# Altium PCB RTM_SFP.PcbDoc (part 13 of 17)
Units mil, origin at the board's own origin, x right, y up, seen from the top; angles counter-clockwise.
Board outline 7185 x 5846.5 mil, 4 copper layers (Top Layer, MidPlane_1, MidPlane_2, Bottom Layer), stack 63.553 mil thick; 389 components, 333 nets, 1578 pads, 1486 vias.
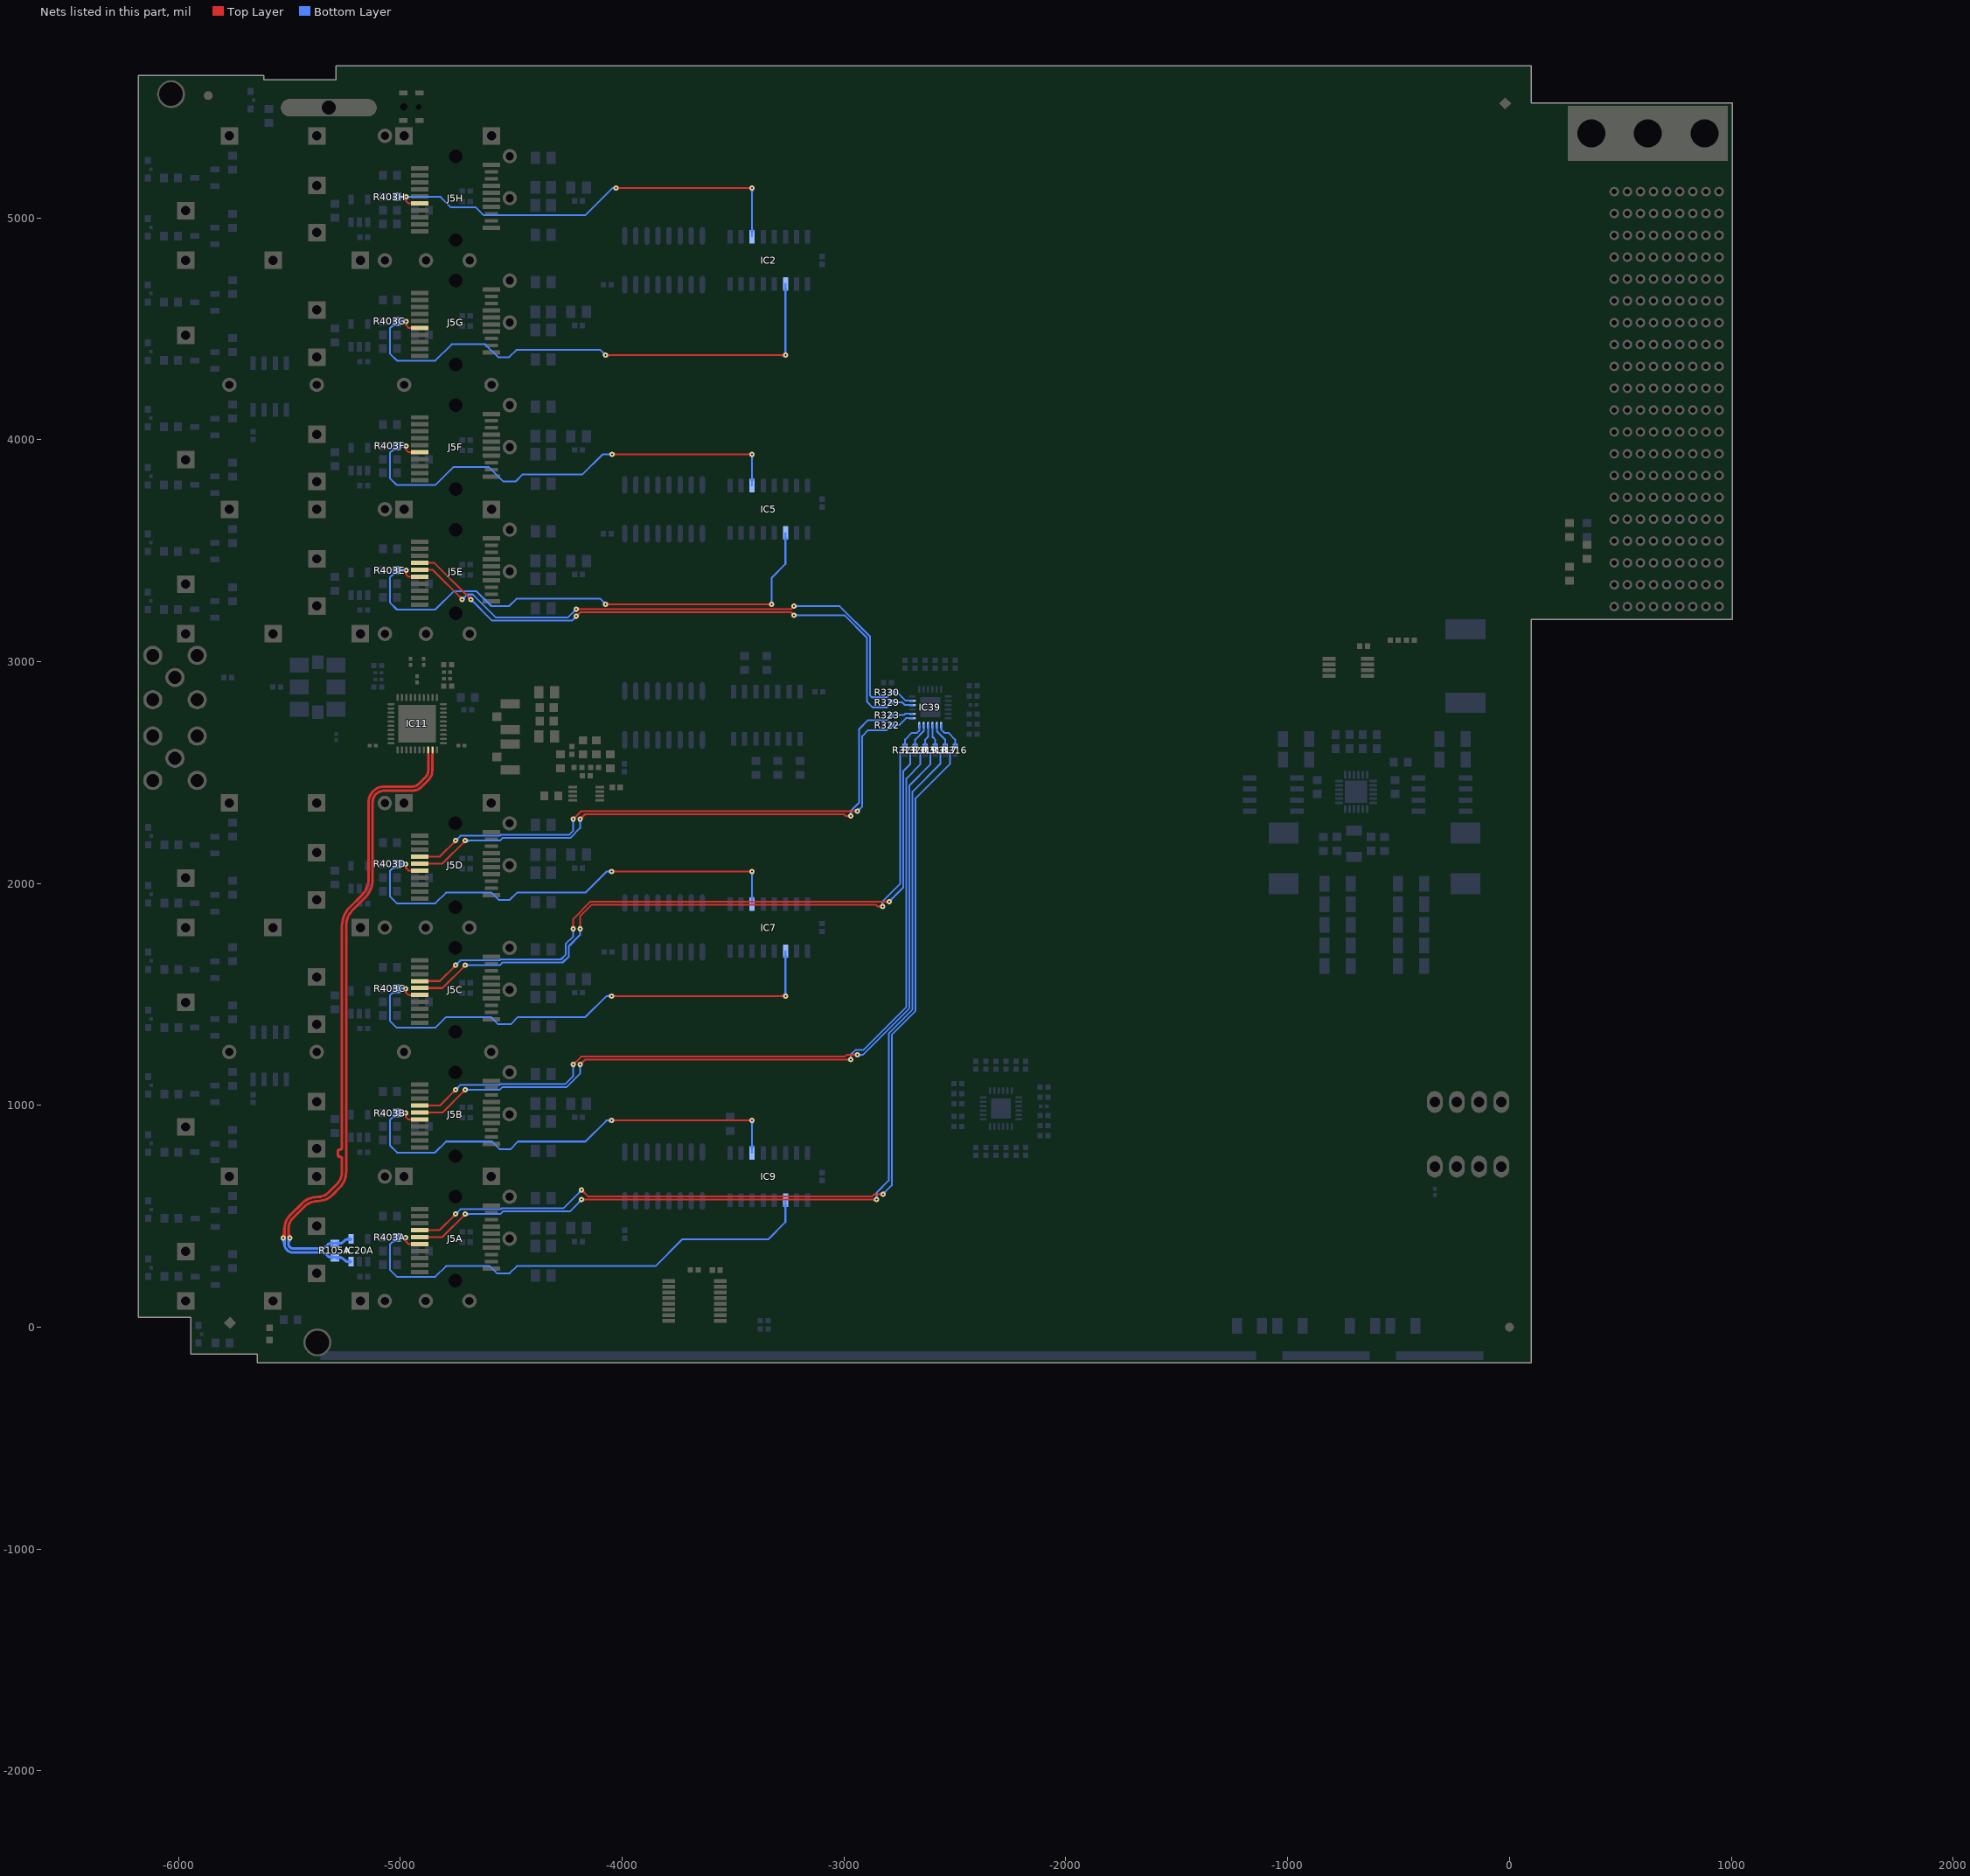
[diagram p15: the nets of this part, all layers, seen from the top]

## Via types
v1: diameter 23.62, hole 7.87, Top Layer to Bottom Layer, tented both sides, 1401 vias
v2: diameter 27.56, hole 11.81, Top Layer to Bottom Layer, tented both sides, 59 vias
v3: diameter 25.98, hole 12.99, Top Layer to Bottom Layer, tented top, 24 vias
v4: diameter 23.62, hole 11.81, Top Layer to Bottom Layer, tented both sides, 2 vias

## Nets (pads, with @x,y where several pads share a name; then routed paths per layer and width w, separated by ;. In a path a pad name is that pad's centre, name@x,y a point inside that pad or via, vN(x,y) a via of type N, cw(c..) or ccw(c..) an arc to the next point about the centre after c; other vN are vias at no path point) (continued)
SFP_CLK8.CLOCK_N: IC11.29 IC20A.4 R105A.2 | length 3255.4
  Top Layer w10: -4856.35,2580.24 -4855.51,2581.08 IC11.29@-4855.51,2601.97
  Top Layer w12: v1(-5499.18,401.57) -5504.99,407.39 -5504.99,440.91 cw(c-5431.08,440.91) -5483.36,493.15 ; -5483.34,493.17 -5432.48,544.04 cw(c-5373.27,484.84) -5373.27,568.56 ccw(c-5373.27,662.73) -5306.7,596.13 ; -5311.45,591.37 -5274.17,628.66 ; -5306.69,596.14 -5274.11,628.72 ccw(c-5344.88,699.37) -5244.88,699.37 -5244.88,1809.37 cw(c-5144.88,1809.37) -5215.59,1880.08 -5159.02,1936.65 ccw(c-5240.67,2018.3) -5125.2,2018.3 -5125.2,2365.72 cw(c-5071.91,2365.72) -5109.62,2403.37 ; -5109.56,2403.43 cw(c-5071.91,2365.72) -5071.91,2419.01 -4944.15,2419.01 ccw(c-4944.15,2474.22) -4905.13,2435.17 -4873.09,2467.2 ccw(c-4913.5,2507.61) -4856.35,2507.61 -4856.35,2580.24 ; -5504.99,429.63 ccw(c-5471.12,429.63) v1@-5495.07,405.68 ; -5504.99,429.63 ccw(c-5471.12,429.63) v1@-5495.07,405.68 ; -5504.99,429.63 ccw(c-5471.12,429.63) v1@-5495.07,405.68 ; v1@-5503.51,405.44 ccw(c-5511.58,412.65) -5502.21,418.06 ; v1@-5503.51,405.44 ccw(c-5511.58,412.65) -5502.21,418.06 ; v1@-5503.51,405.44 ccw(c-5511.58,412.65) -5502.21,418.06
  Bottom Layer w11.9: -5504.99,375.4 cw(c-5475.51,375.4) v1@-5495.28,397.26 ; v1@-5503.33,397.44 cw(c-5509.51,391.3) -5502.19,386.57 ccw(c-5509.51,391.3) v1@-5503.33,397.44
  Bottom Layer w12: v1@-5503.31,397.49 cw(c-5509.56,391.33) -5502.19,386.57 ; v1(-5499.18,401.57) -5504.99,395.76 -5504.99,376.05 ccw(c-5483.92,376.05) -5498.84,361.17 ; -5498.81,361.14 ccw(c-5484.95,375.02) -5484.95,355.41 -5359.18,355.41 ccw(c-5359.18,392.6) -5332.89,366.3 ; -5332.87,366.31 -5325.71,373.47 cw(c-5315,362.76) -5315,377.9 ; R105A.2@-5308.26,373.18 ccw(c-5315,370.74) -5315,377.9 ; R105A.2@-5307.72,382.4 cw(c-5315,386.04) -5315,377.9 ; R105A.2@-5282.96,382.67 ccw(c-5275.03,386.89) -5275.03,377.9 ; R105A.2@-5282.4,372.88 cw(c-5275.03,369.98) -5275.03,377.9 ; -5252.28,389.79 -5256.5,385.58 cw(c-5275.03,404.11) -5275.03,377.9 ; -5252.26,389.81 cw(c-5233.46,370.98) -5233.46,397.59 IC20A.4@-5221.65,397.59 ; -5241.66,395.39 cw(c-5236.24,375.18) IC20A.4@-5224.82,392.72 ; -5315,377.9 -5275.03,377.9 ; -5504.99,375.4 cw(c-5475.51,375.4) -5495.28,397.26 ccw(c-5475.51,375.4) -5504.99,375.4
SFP_CLK8.CLOCK_P: IC11.28 IC20A.3 R105A.1 | length 3249.6
  Top Layer w10: IC11.28@-4875.2,2601.97 -4875.2,2581.08 -4874.35,2580.24
  Top Layer w12: v1(-5528.8,401.57) -5522.99,407.39 -5522.99,441.6 cw(c-5432.73,441.6) -5496.55,505.41 -5444.64,557.32 cw(c-5373.93,486.61) -5373.93,586.61 ccw(c-5373.93,656.75) -5324.34,607.16 -5284.54,646.96 ccw(c-5336.82,699.24) -5262.88,699.24 -5262.88,759.84 ccw(c-5270.95,759.84) -5270.95,767.91 -5273.31,767.91 cw(c-5273.31,776.96) -5282.35,776.37 -5282.35,792.72 cw(c-5273.31,792.13) -5273.31,801.18 -5270.95,801.18 ccw(c-5270.95,809.25) -5262.88,809.25 -5262.88,1809.82 cw(c-5145.97,1809.82) -5228.64,1892.48 -5172.49,1948.64 ccw(c-5243.2,2019.35) -5143.2,2019.35 -5143.2,2366.08 cw(c-5072.77,2366.08) -5122.6,2415.85 ; -5121.95,2416.5 cw(c-5072.44,2367) -5072.44,2437.01 -4944.61,2437.01 ccw(c-4944.61,2475.32) -4917.52,2448.23 -4886.29,2479.46 ccw(c-4915.09,2508.27) -4874.35,2508.27 -4874.35,2580.24 ; v1@-5532.91,405.68 ccw(c-5556.86,429.63) -5522.99,429.63 ; v1@-5532.91,405.68 ccw(c-5556.86,429.63) -5522.99,429.63 ; v1@-5532.91,405.68 ccw(c-5556.86,429.63) -5522.99,429.63 ; -5525.76,418.06 ccw(c-5516.39,412.65) v1@-5524.46,405.44 ; -5525.76,418.06 ccw(c-5516.39,412.65) v1@-5524.46,405.44 ; -5525.76,418.06 ccw(c-5516.39,412.65) v1@-5524.46,405.44
  Bottom Layer w11.9: v1@-5532.7,397.27 cw(c-5552.61,375.33) -5522.99,375.33 ; -5525.78,386.52 cw(c-5518.41,391.27) -5524.64,397.45 ccw(c-5518.41,391.27) -5525.78,386.52
  Bottom Layer w12: v1(-5528.8,401.57) -5522.99,395.76 -5522.99,375.98 ccw(c-5484.08,375.98) -5511.61,348.49 ; -5525.78,386.52 cw(c-5518.36,391.31) v1@-5524.66,397.5 ; -5511.32,348.2 ccw(c-5485.27,374.25) -5485.27,337.41 -5358.96,337.41 cw(c-5358.96,300.77) -5333.06,326.69 -5325.73,319.36 ccw(c-5315,330.09) -5315,314.91 ; R105A.1@-5308.26,310.19 ccw(c-5315,307.75) -5315,314.91 ; R105A.1@-5307.73,319.41 cw(c-5315,323.04) -5315,314.91 ; R105A.1@-5283.51,307.75 cw(c-5273.03,300.88) -5269.79,312.98 ; IC20A.3@-5226.16,291.56 ccw(c-5233.86,285.32) -5233.86,295.23 ; IC20A.3@-5226.16,298.89 cw(c-5233.86,305.14) -5233.86,295.23 ; IC20A.3@-5221.65,295.23 -5233.86,295.23 ; -5315,314.91 -5276.98,314.91 cw(c-5276.98,283.99) -5255.12,305.86 -5252.01,302.74 ccw(c-5233.86,320.89) -5233.86,295.23 ; v1@-5532.7,397.27 cw(c-5552.61,375.33) -5522.99,375.33 ccw(c-5552.61,375.33) v1@-5532.7,397.27
SFP_DETECTN1: IC2.11 J5H.6 R403H.1 | length 2545.5
  Top Layer w7.99: v1(-4974.92,5094.49) -4974.92,5076.71 ; J5H.6@-4946.08,5061.08 ccw(c-4956.06,5051.1) -4956.06,5065.21 ccw(c-4956.06,5079.33) J5H.6@-4946.08,5069.35 ; J5H.6@-4912.42,5065.21 -4963.42,5065.21 -4974.92,5076.71 ; v1(-4027.95,5133.86) v1(-3414.17,5133.86) ; -4974.92,5076.71 cw(c-4958.61,5076.71) -4969.64,5088.73 ccw(c-4958.61,5076.71) -4974.92,5076.71 ; -4974.92,5076.71 ccw(c-4991.23,5076.71) -4980.2,5088.73 cw(c-4991.23,5076.71) -4974.92,5076.71 ; -4009.09,5133.86 cw(c-4009.09,5152.73) -4022.43,5139.38 ccw(c-4009.09,5152.73) -4009.09,5133.86 ; -4009.09,5133.86 ccw(c-4009.09,5114.99) -4022.43,5128.33 cw(c-4009.09,5114.99) -4009.09,5133.86 ; -3433.04,5133.86 cw(c-3433.04,5114.99) -3419.7,5128.33 ccw(c-3433.04,5114.99) -3433.04,5133.86 ; -3433.04,5133.86 ccw(c-3433.04,5152.73) -3419.7,5139.38 cw(c-3433.04,5152.73) -3433.04,5133.86
  Bottom Layer w7.99: R403H.1@-5015.75,5094.49 v1(-4974.92,5094.49) -4818.9,5094.49 -4771.87,5047.46 -4660.45,5047.46 -4624.41,5011.42 -4166.73,5011.42 -4044.29,5133.86 ; R403H.1@-5006.05,5084.78 cw(c-4982.62,5061.36) -4982.62,5094.49 cw(c-4982.63,5127.61) R403H.1@-5006.05,5104.19 ; -4995.85,5090.94 cw(c-4990.71,5071.76) v1@-4979.38,5088.07 ; -4995.85,5098.03 ccw(c-4990.71,5117.21) v1@-4979.38,5100.91 ; -4989.01,5092.78 ccw(c-4992.14,5104.43) v1@-4981.69,5098.4 ; -4989.01,5096.2 cw(c-4992.13,5084.55) v1@-4981.69,5090.58 ; v1(-4027.95,5133.86) -4044.29,5133.86 ; IC2.11@-3419.7,4939.05 ccw(c-3433.04,4952.39) -3414.17,4952.39 ccw(c-3395.31,4952.39) IC2.11@-3408.65,4939.05 ; IC2.11@-3414.17,4914.82 v1(-3414.17,5133.86) ; -4993.79,5094.49 cw(c-4993.79,5075.62) -4980.45,5088.96 ccw(c-4993.79,5075.62) -4993.79,5094.49 ; -4993.79,5094.49 ccw(c-4993.79,5113.36) -4980.45,5100.01 cw(c-4993.79,5113.36) -4993.79,5094.49 ; -4956.05,5094.49 cw(c-4956.05,5113.36) -4969.39,5100.01 ccw(c-4956.05,5113.36) -4956.05,5094.49 ; -4956.05,5094.49 ccw(c-4956.05,5075.62) -4969.39,5088.96 cw(c-4956.05,5075.62) -4956.05,5094.49 ; -4044.29,5133.86 cw(c-4044.29,5120.69) -4034.04,5128.95 ccw(c-4044.29,5120.69) -4044.29,5133.86 ; -4044.29,5133.86 ccw(c-4044.29,5147.03) -4034.04,5138.76 cw(c-4044.29,5147.03) -4044.29,5133.86 ; -3414.17,5114.99 cw(c-3395.31,5114.99) -3408.65,5128.33 ccw(c-3395.31,5114.99) -3414.17,5114.99 ; -3414.17,5114.99 ccw(c-3433.04,5114.99) -3419.7,5128.33 cw(c-3433.04,5114.99) -3414.17,5114.99
SFP_DETECTN2: IC2.3 J5G.6 R403G.1 | length 3040.1
  Top Layer w7.99: v1(-4974.92,4533.46) -4974.92,4515.69 ; J5G.6@-4946.08,4500.06 ccw(c-4956.06,4490.08) -4956.06,4504.19 ccw(c-4956.06,4518.3) J5G.6@-4946.08,4508.32 ; J5G.6@-4912.42,4504.19 -4963.42,4504.19 -4974.92,4515.69 ; v1(-4074.41,4380.71) v1(-3264.17,4380.71) ; -4974.92,4515.69 cw(c-4958.61,4515.69) -4969.64,4527.71 ccw(c-4958.61,4515.69) -4974.92,4515.69 ; -4974.92,4515.69 ccw(c-4991.23,4515.69) -4980.2,4527.71 cw(c-4991.23,4515.69) -4974.92,4515.69 ; -4055.54,4380.71 cw(c-4055.54,4399.58) -4068.88,4386.24 ccw(c-4055.54,4399.58) -4055.54,4380.71 ; -4055.54,4380.71 ccw(c-4055.54,4361.84) -4068.88,4375.18 cw(c-4055.54,4361.84) -4055.54,4380.71 ; -3283.04,4380.71 cw(c-3283.04,4361.84) -3269.7,4375.18 ccw(c-3283.04,4361.84) -3283.04,4380.71 ; -3283.04,4380.71 ccw(c-3283.04,4399.58) -3269.7,4386.24 cw(c-3283.04,4399.58) -3283.04,4380.71
  Bottom Layer w7.99: -5042.53,4506.68 cw(c-5015.75,4479.89) R403G.1@-5015.75,4517.77 ; -5037.78,4511.43 ccw(c-5057.84,4531.49) R403G.1@-5029.47,4531.49 ; R403G.1@-5006.05,4523.76 cw(c-4982.62,4500.34) -4982.62,4533.46 cw(c-4982.63,4566.58) R403G.1@-5006.05,4543.17 ; -4995.85,4529.92 cw(c-4990.71,4510.74) v1@-4979.38,4527.05 ; -4995.85,4537.01 ccw(c-4990.71,4556.18) v1@-4979.38,4539.88 ; -4989.01,4531.75 ccw(c-4992.14,4543.4) v1@-4981.69,4537.37 ; -4989.01,4535.17 cw(c-4992.13,4523.53) v1@-4981.69,4529.56 ; v1(-4974.92,4533.46) R403G.1@-5015.75,4533.46 -5047.24,4501.97 -5047.24,4388.19 -5015.45,4356.4 -4842.17,4356.4 -4768.13,4430.44 -4617.74,4430.44 -4559.45,4372.15 -4509.74,4372.15 -4477.01,4404.88 -4098.58,4404.88 v1(-4074.41,4380.71) ; IC2.3@-3269.7,4677.99 cw(c-3283.04,4664.65) -3264.17,4664.65 cw(c-3245.31,4664.65) IC2.3@-3258.65,4677.99 ; v1(-3264.17,4380.71) IC2.3@-3264.17,4702.22 ; -4993.79,4533.46 cw(c-4993.79,4514.6) -4980.45,4527.94 ccw(c-4993.79,4514.6) -4993.79,4533.46 ; -4993.79,4533.46 ccw(c-4993.79,4552.33) -4980.45,4538.99 cw(c-4993.79,4552.33) -4993.79,4533.46 ; -4087.75,4394.05 cw(c-4101.09,4380.71) -4082.22,4380.71 ccw(c-4101.09,4380.71) -4087.75,4394.05 ; -4087.75,4394.05 ccw(c-4074.41,4407.39) -4074.41,4388.52 cw(c-4074.41,4407.39) -4087.75,4394.05 ; -3264.17,4399.58 cw(c-3283.04,4399.58) -3269.7,4386.24 ccw(c-3283.04,4399.58) -3264.17,4399.58 ; -3264.17,4399.58 ccw(c-3245.31,4399.58) -3258.65,4386.24 cw(c-3245.31,4399.58) -3264.17,4399.58
SFP_DETECTN3: IC5.11 J5F.6 R403F.1 | length 2744.2
  Top Layer w7.99: v1(-4974.92,3972.44) -4974.92,3954.66 ; J5F.6@-4946.08,3939.03 ccw(c-4956.06,3929.05) -4956.06,3943.17 ccw(c-4956.06,3957.28) J5F.6@-4946.08,3947.3 ; J5F.6@-4912.42,3943.17 -4963.42,3943.17 -4974.92,3954.66 ; v1(-4045.27,3934.25) v1(-3414.17,3934.25) ; -4974.92,3954.66 cw(c-4958.61,3954.66) -4969.64,3966.68 ccw(c-4958.61,3954.66) -4974.92,3954.66 ; -4974.92,3954.66 ccw(c-4991.23,3954.66) -4980.2,3966.68 cw(c-4991.23,3954.66) -4974.92,3954.66 ; -4026.4,3934.25 cw(c-4026.4,3953.12) -4039.74,3939.78 ccw(c-4026.4,3953.12) -4026.4,3934.25 ; -4026.4,3934.25 ccw(c-4026.4,3915.38) -4039.74,3928.72 cw(c-4026.4,3915.38) -4026.4,3934.25 ; -3433.04,3934.25 cw(c-3433.04,3915.38) -3419.7,3928.72 ccw(c-3433.04,3915.38) -3433.04,3934.25 ; -3433.04,3934.25 ccw(c-3433.04,3953.12) -3419.7,3939.78 cw(c-3433.04,3953.12) -3433.04,3934.25
  Bottom Layer w7.99: -5042.53,3945.66 cw(c-5015.75,3918.87) R403F.1@-5015.75,3956.75 ; -5037.78,3950.41 ccw(c-5057.84,3970.47) R403F.1@-5029.47,3970.47 ; R403F.1@-5006.05,3962.74 cw(c-4982.62,3939.31) -4982.62,3972.44 cw(c-4982.63,4005.56) R403F.1@-5006.05,3982.14 ; -4995.85,3968.9 cw(c-4990.71,3949.72) v1@-4979.38,3966.02 ; -4995.85,3975.98 ccw(c-4990.71,3995.16) v1@-4979.38,3978.86 ; -4989.01,3970.73 ccw(c-4992.13,3982.38) v1@-4981.69,3976.35 ; -4989.01,3974.15 cw(c-4992.13,3962.5) v1@-4981.69,3968.53 ; v1(-4974.92,3972.44) R403F.1@-5015.75,3972.44 -5047.24,3940.94 -5047.24,3827.17 -5015.45,3795.37 -4842.17,3795.37 -4759.99,3877.56 -4601.74,3877.56 -4535.3,3811.12 -4481.2,3811.12 -4448.46,3843.86 -4179.06,3843.86 -4088.67,3934.25 v1(-4045.27,3934.25) ; IC5.11@-3419.7,3817 ccw(c-3433.04,3830.34) -3414.17,3830.34 ccw(c-3395.31,3830.34) IC5.11@-3408.65,3817 ; IC5.11@-3414.17,3792.77 v1(-3414.17,3934.25) ; -4993.79,3972.44 cw(c-4993.79,3953.57) -4980.45,3966.91 ccw(c-4993.79,3953.57) -4993.79,3972.44 ; -4993.79,3972.44 ccw(c-4993.79,3991.31) -4980.45,3977.97 cw(c-4993.79,3991.31) -4993.79,3972.44 ; -4064.14,3934.25 cw(c-4064.14,3915.38) -4050.79,3928.72 ccw(c-4064.14,3915.38) -4064.14,3934.25 ; -4064.13,3934.25 ccw(c-4064.13,3953.11) -4050.79,3939.78 cw(c-4064.13,3953.11) -4064.13,3934.25 ; -3414.17,3915.38 cw(c-3395.31,3915.38) -3408.65,3928.72 ccw(c-3395.31,3915.38) -3414.17,3915.38 ; -3414.17,3915.38 ccw(c-3433.04,3915.38) -3419.7,3928.72 cw(c-3433.04,3915.38) -3414.17,3915.38
SFP_DETECTN4: IC5.3 J5E.6 R403E.1 | length 3011.7
  Top Layer w7.99: v1(-4974.92,3411.42) -4974.92,3393.64 ; J5E.6@-4946.08,3378.01 ccw(c-4956.06,3368.03) -4956.06,3382.14 ccw(c-4956.06,3396.26) J5E.6@-4946.08,3386.28 ; J5E.6@-4912.42,3382.14 -4963.42,3382.14 -4974.92,3393.64 ; v1(-4074.41,3258.66) v1@-3326.38,3258.66 ; v1@-3326.77,3258.66 v1(-3326.38,3258.27) ; -4974.92,3393.64 cw(c-4958.61,3393.64) -4969.64,3405.66 ccw(c-4958.61,3393.64) -4974.92,3393.64 ; -4974.92,3393.64 ccw(c-4991.23,3393.64) -4980.2,3405.66 cw(c-4991.23,3393.64) -4974.92,3393.64 ; -4055.54,3258.66 cw(c-4055.54,3277.53) -4068.88,3264.19 ccw(c-4055.54,3277.53) -4055.54,3258.66 ; -4055.54,3258.66 ccw(c-4055.54,3239.79) -4068.88,3253.14 cw(c-4055.54,3239.79) -4055.54,3258.66 ; -3346.2,3258.66 cw(c-3346.2,3238.45) -3331.9,3252.74 ccw(c-3346.2,3238.45) -3346.2,3258.66 ; -3344.29,3258.66 ccw(c-3344.29,3276.18) -3331.9,3263.79 cw(c-3344.29,3276.18) -3344.29,3258.66
  Bottom Layer w7.99: -5042.53,3384.63 cw(c-5015.75,3357.85) R403E.1@-5015.75,3395.73 ; -5037.78,3389.39 ccw(c-5057.84,3409.45) R403E.1@-5029.47,3409.45 ; R403E.1@-5006.05,3401.71 cw(c-4982.62,3378.29) -4982.62,3411.42 cw(c-4982.62,3444.54) R403E.1@-5006.05,3421.12 ; -4995.85,3407.87 cw(c-4990.71,3388.7) v1@-4979.38,3405 ; -4995.85,3414.96 ccw(c-4990.71,3434.14) v1@-4979.38,3417.83 ; -4989.01,3409.7 ccw(c-4992.13,3421.35) v1@-4981.69,3415.32 ; -4989.01,3413.13 cw(c-4992.13,3401.48) v1@-4981.69,3407.51 ; v1(-4974.92,3411.42) R403E.1@-5015.75,3411.42 -5047.24,3379.92 -5047.24,3266.14 -5015.45,3234.35 -4842.17,3234.35 -4759.59,3316.93 -4656.64,3316.93 -4589.81,3250.1 -4509.52,3250.1 -4476.78,3282.83 -4098.58,3282.83 v1(-4074.41,3258.66) ; v1(-3326.38,3258.27) -3326.38,3377.56 -3264.17,3439.76 IC5.3@-3264.17,3580.17 ; IC5.3@-3269.7,3555.95 cw(c-3283.04,3542.61) -3264.17,3542.61 cw(c-3245.31,3542.61) IC5.3@-3258.65,3555.95 ; -4993.79,3411.42 cw(c-4993.79,3392.55) -4980.45,3405.89 ccw(c-4993.79,3392.55) -4993.79,3411.42 ; -4993.79,3411.42 ccw(c-4993.79,3430.28) -4980.45,3416.94 cw(c-4993.79,3430.28) -4993.79,3411.42 ; -4087.75,3272 cw(c-4101.09,3258.66) -4082.22,3258.66 ccw(c-4101.09,3258.66) -4087.75,3272 ; -4087.75,3272 ccw(c-4074.41,3285.34) -4074.41,3266.48 cw(c-4074.41,3285.34) -4087.75,3272 ; -3326.38,3277.13 cw(c-3345.25,3277.13) -3331.9,3263.79 ccw(c-3345.25,3277.13) -3326.38,3277.13 ; -3326.38,3277.13 ccw(c-3307.51,3277.13) -3320.85,3263.79 cw(c-3307.51,3277.13) -3326.38,3277.13
SFP_DETECTN5: IC7.11 J5D.6 R403D.1 | length 2739.3
  Top Layer w7.99: v1(-4975.48,2087.39) -4975.48,2069.61 ; J5D.6@-4946.64,2053.98 ccw(c-4956.62,2044) -4956.62,2058.12 ccw(c-4956.62,2072.23) J5D.6@-4946.64,2062.25 ; J5D.6@-4912.98,2058.12 -4963.98,2058.12 -4975.48,2069.61 ; v1(-4048.43,2053.94) v1(-3414.17,2053.94) ; -4975.48,2069.62 cw(c-4959.17,2069.62) -4970.2,2081.64 ccw(c-4959.17,2069.62) -4975.48,2069.62 ; -4975.48,2069.62 ccw(c-4991.79,2069.62) -4980.76,2081.64 cw(c-4991.79,2069.62) -4975.48,2069.62 ; -4029.56,2053.94 cw(c-4029.56,2072.8) -4042.9,2059.46 ccw(c-4029.56,2072.8) -4029.56,2053.94 ; -4029.56,2053.94 ccw(c-4029.56,2035.07) -4042.9,2048.41 cw(c-4029.56,2035.07) -4029.56,2053.94 ; -3433.04,2053.94 cw(c-3433.04,2035.07) -3419.7,2048.41 ccw(c-3433.04,2035.07) -3433.04,2053.94 ; -3433.04,2053.94 ccw(c-3433.04,2072.8) -3419.7,2059.46 cw(c-3433.04,2072.8) -3433.04,2053.94
  Bottom Layer w7.99: -5043.49,2060.22 cw(c-5015.75,2032.48) R403D.1@-5015.75,2071.7 ; -5037.38,2066.32 ccw(c-5056.49,2085.42) R403D.1@-5029.47,2085.42 ; R403D.1@-5029.84,2073.86 cw(c-5015.75,2059.76) R403D.1@-5015.75,2079.7 ; R403D.1@-5006.05,2077.69 cw(c-4982.62,2054.27) -4982.62,2087.39 cw(c-4982.62,2120.52) R403D.1@-5006.05,2097.1 ; -4996.09,2083.78 cw(c-4991.05,2064.95) v1@-4979.93,2080.97 ; -4996.09,2091 ccw(c-4991.05,2109.83) v1@-4979.93,2093.81 ; -4989.87,2085.45 ccw(c-4993.12,2097.58) v1@-4982.25,2091.3 ; -4989.87,2089.34 cw(c-4993.12,2077.21) v1@-4982.25,2083.49 ; v1(-4975.48,2087.39) -5016.31,2087.39 -5047.8,2055.9 -5047.8,1942.12 -5016.01,1910.33 -4842.73,1910.33 -4794.25,1958.81 -4589.13,1958.81 -4556.39,1926.08 -4506.76,1926.08 -4474.02,1958.81 -4165.99,1958.81 -4070.87,2053.94 v1(-4048.43,2053.94) ; IC7.11@-3419.7,1931.95 ccw(c-3433.04,1945.29) -3414.17,1945.29 ccw(c-3395.31,1945.29) IC7.11@-3408.65,1931.95 ; IC7.11@-3414.17,1907.72 v1(-3414.17,2053.94) ; -4994.35,2087.39 cw(c-4994.35,2068.53) -4981.01,2081.87 ccw(c-4994.35,2068.53) -4994.35,2087.39 ; -4994.35,2087.39 ccw(c-4994.35,2106.26) -4981.01,2092.92 cw(c-4994.35,2106.26) -4994.35,2087.39 ; -4067.29,2053.94 cw(c-4067.29,2035.07) -4053.95,2048.41 ccw(c-4067.29,2035.07) -4067.29,2053.94 ; -4067.29,2053.94 ccw(c-4067.29,2072.8) -4053.95,2059.46 cw(c-4067.29,2072.8) -4067.29,2053.94 ; -3414.17,2035.07 cw(c-3395.31,2035.07) -3408.65,2048.41 ccw(c-3395.31,2035.07) -3414.17,2035.07 ; -3414.17,2035.07 ccw(c-3433.04,2035.07) -3419.7,2048.41 cw(c-3433.04,2035.07) -3414.17,2035.07
SFP_DETECTN6: IC7.3 J5C.6 R403C.1 | length 2945.3
  Top Layer w7.99: v1(-4975.48,1526.37) -4975.48,1508.59 ; J5C.6@-4946.64,1492.96 ccw(c-4956.62,1482.98) -4956.62,1497.1 ccw(c-4956.62,1511.21) J5C.6@-4946.64,1501.23 ; J5C.6@-4912.98,1497.1 -4963.98,1497.1 -4975.48,1508.59 ; v1(-4048.43,1492.91) v1(-3264.17,1492.91) ; -4975.48,1508.59 cw(c-4959.17,1508.59) -4970.2,1520.61 ccw(c-4959.17,1508.59) -4975.48,1508.59 ; -4975.48,1508.59 ccw(c-4991.79,1508.59) -4980.76,1520.61 cw(c-4991.79,1508.59) -4975.48,1508.59 ; -4029.56,1492.91 cw(c-4029.56,1511.78) -4042.9,1498.44 ccw(c-4029.56,1511.78) -4029.56,1492.91 ; -4029.56,1492.91 ccw(c-4029.56,1474.05) -4042.9,1487.39 cw(c-4029.56,1474.05) -4029.56,1492.91 ; -3283.04,1492.91 cw(c-3283.04,1474.05) -3269.7,1487.39 ccw(c-3283.04,1474.05) -3283.04,1492.91 ; -3283.04,1492.91 ccw(c-3283.04,1511.78) -3269.7,1498.44 cw(c-3283.04,1511.78) -3283.04,1492.91
  Bottom Layer w7.99: -5043.49,1499.19 cw(c-5015.75,1471.45) R403C.1@-5015.75,1510.68 ; -5037.38,1505.29 ccw(c-5056.49,1524.4) R403C.1@-5029.47,1524.4 ; R403C.1@-5029.84,1512.83 cw(c-5015.75,1498.74) R403C.1@-5015.75,1518.67 ; R403C.1@-5006.05,1516.67 cw(c-4982.62,1493.25) -4982.62,1526.37 cw(c-4982.62,1559.49) R403C.1@-5006.05,1536.07 ; -4996.09,1522.76 cw(c-4991.05,1503.93) v1@-4979.93,1519.95 ; -4996.09,1529.98 ccw(c-4991.05,1548.81) v1@-4979.93,1532.79 ; -4989.87,1524.43 ccw(c-4993.12,1536.55) v1@-4982.25,1530.28 ; -4989.87,1528.31 cw(c-4993.12,1516.18) v1@-4982.25,1522.46 ; v1(-4975.48,1526.37) -5016.31,1526.37 -5047.8,1494.87 -5047.8,1381.1 -5016.01,1349.3 -4842.73,1349.3 -4794.25,1397.79 -4591.49,1397.79 -4558.75,1365.05 -4502.43,1365.05 -4469.69,1397.79 -4165.99,1397.79 -4070.87,1492.91 v1(-4048.43,1492.91) ; IC7.3@-3269.7,1670.9 cw(c-3283.04,1657.56) -3264.17,1657.56 cw(c-3245.31,1657.56) IC7.3@-3258.65,1670.9 ; v1(-3264.17,1492.91) IC7.3@-3264.17,1695.13 ; -4994.35,1526.37 cw(c-4994.35,1507.5) -4981.01,1520.84 ccw(c-4994.35,1507.5) -4994.35,1526.37 ; -4994.35,1526.37 ccw(c-4994.35,1545.24) -4981.01,1531.9 cw(c-4994.35,1545.24) -4994.35,1526.37 ; -4067.29,1492.91 cw(c-4067.29,1474.05) -4053.95,1487.39 ccw(c-4067.29,1474.05) -4067.29,1492.91 ; -4067.29,1492.91 ccw(c-4067.29,1511.78) -4053.95,1498.44 cw(c-4067.29,1511.78) -4067.29,1492.91 ; -3264.17,1511.78 cw(c-3283.04,1511.78) -3269.7,1498.44 ccw(c-3283.04,1511.78) -3264.17,1511.78 ; -3264.17,1511.78 ccw(c-3245.31,1511.78) -3258.65,1498.44 cw(c-3245.31,1511.78) -3264.17,1511.78